# Altium PCB monitor_panel.PcbDoc (part 1 of 2) (continued)
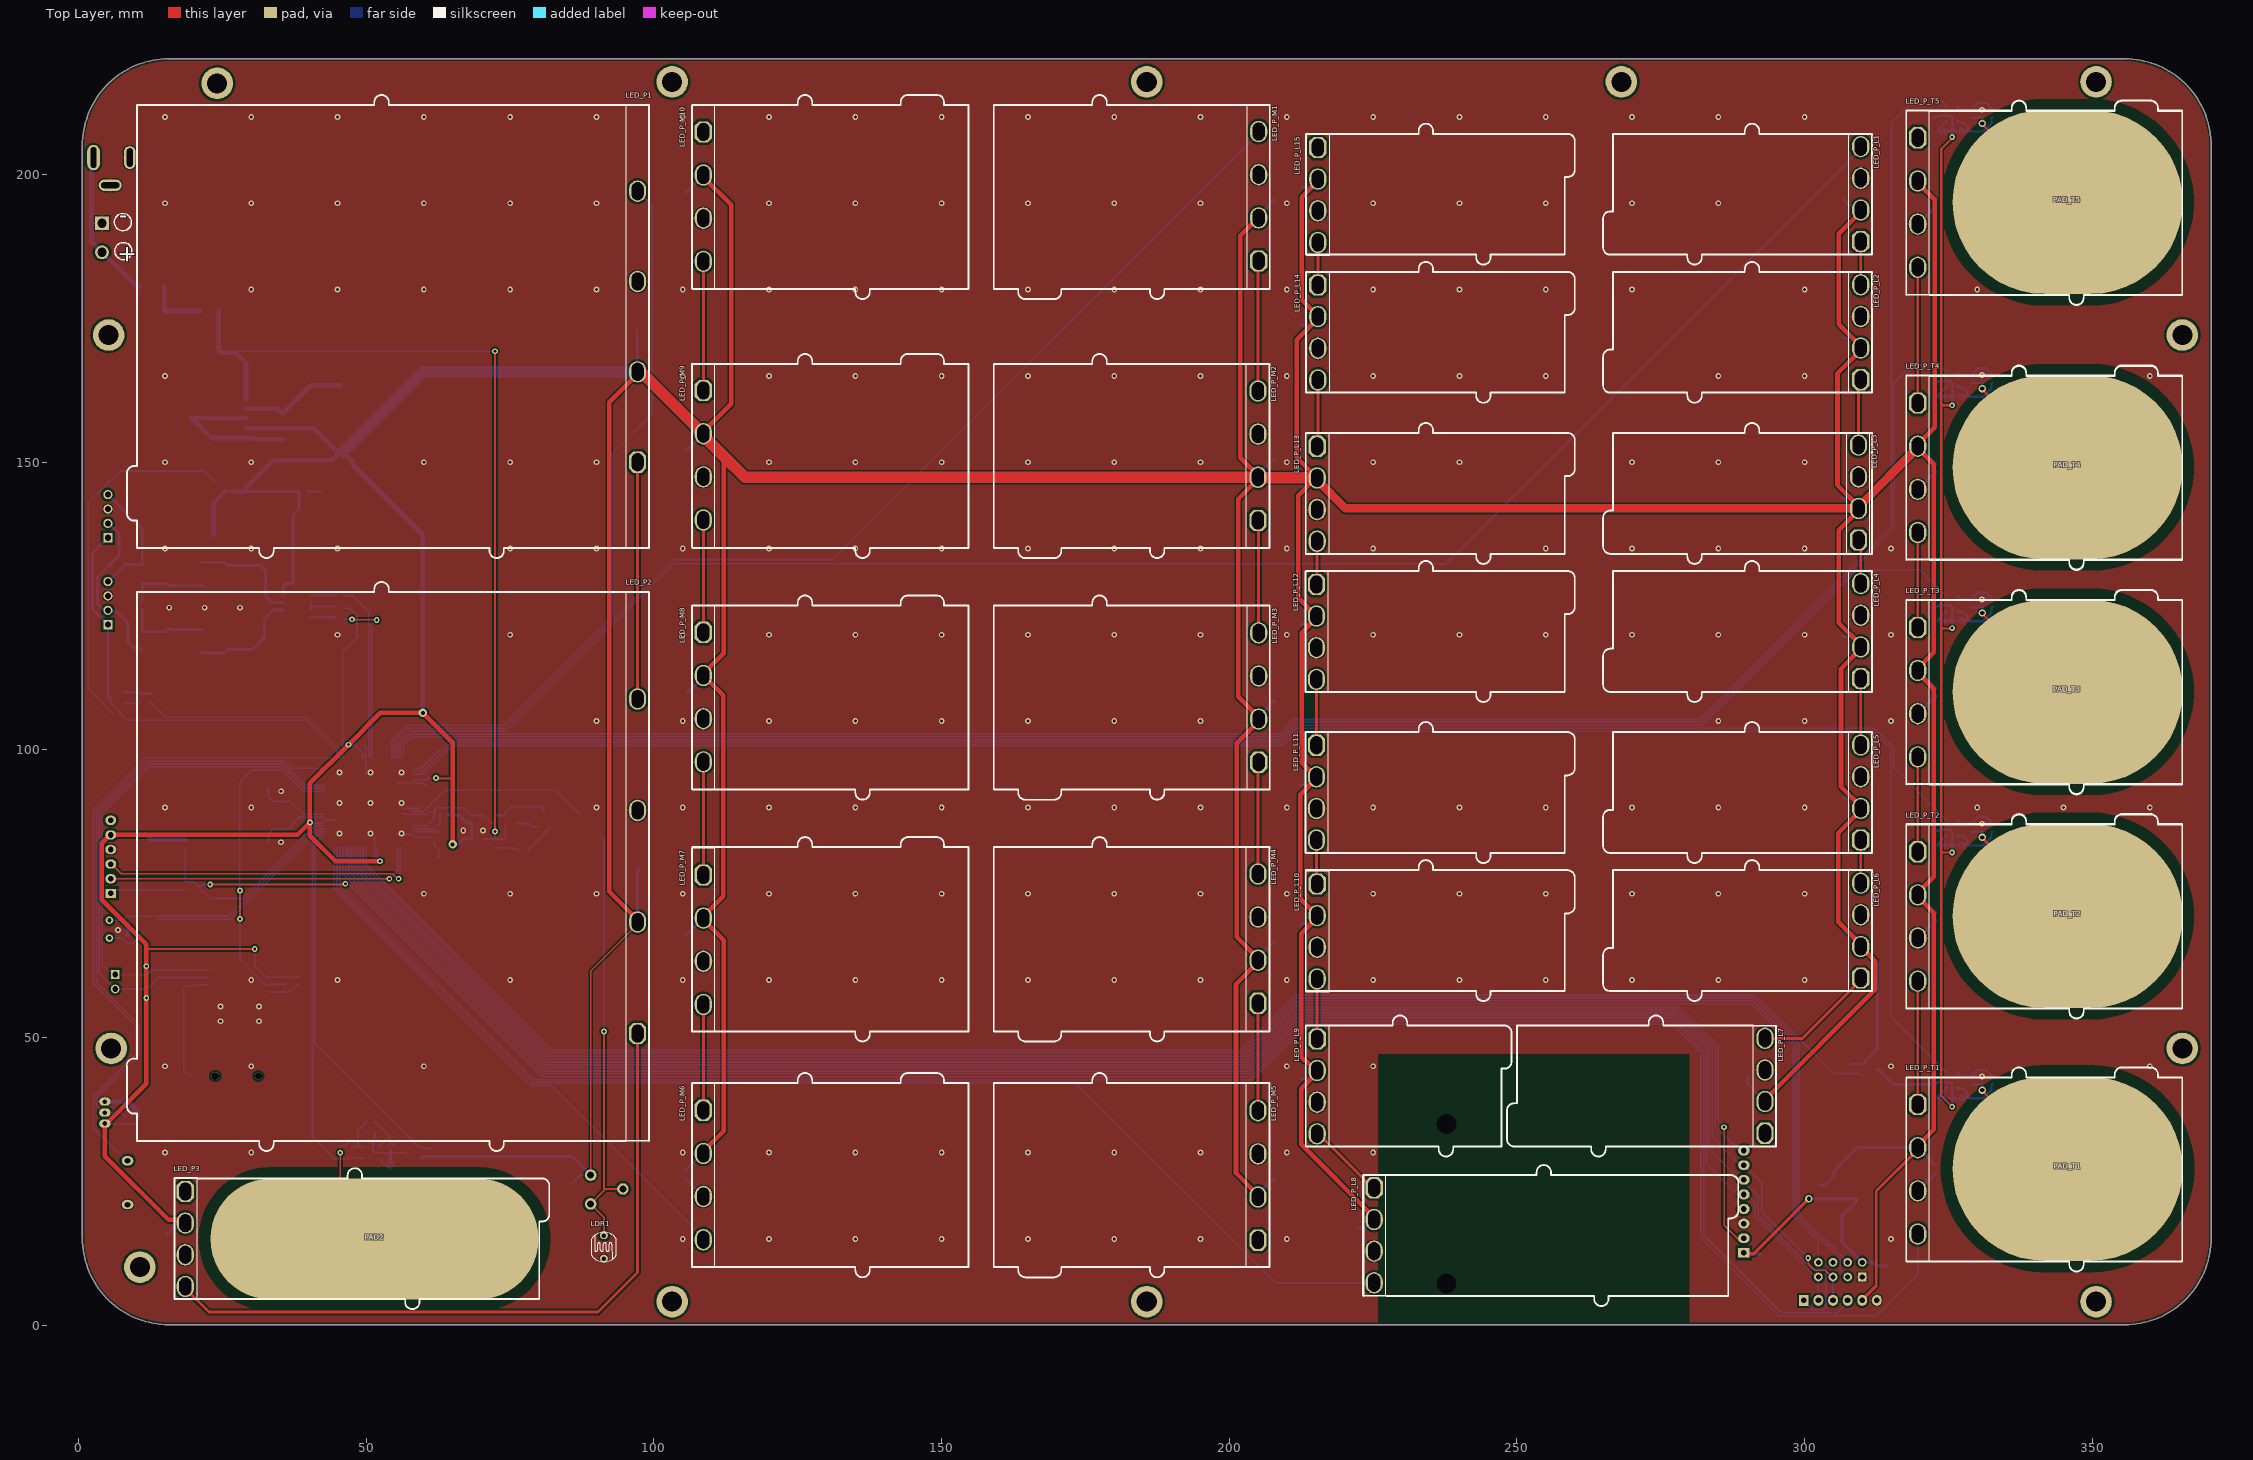
[diagram p0: Top Layer view]
## Classes and differential pairs (continued)

## Components (designator, comment, footprint, x,y, rotation, side; value= is the part's Value field where it differs from the comment)
"BAT 1" "BAT Backup" BATTERY_coin 21.749,43.307 r90 bottom
Bluetooth1 "Header 6" H-1x6 5.588,81.534 r90 bottom
C1_T1 "100nF" 0603C 322.461,42.545 r270 bottom (schematic designator C1)
C1_T2 "100nF" 0603C 322.461,86.487 r270 bottom (schematic designator C1)
C1_T3 "100nF" 0603C 322.461,125.476 r270 bottom (schematic designator C1)
C1_T4 "100nF" 0603C 322.461,164.465 r270 bottom (schematic designator C1)
C1_T5 "100nF" 0603C 322.461,210.566 r270 bottom (schematic designator C1)
C2_T1 "22pF" 0603C 330.832,42.515 r270 bottom (schematic designator C2)
C2_T2 "22pF" 0603C 330.832,86.457 r270 bottom (schematic designator C2)
C2_T3 "22pF" 0603C 330.832,125.446 r270 bottom (schematic designator C2)
C2_T4 "22pF" 0603C 330.832,164.435 r270 bottom (schematic designator C2)
C2_T5 "22pF" 0603C 330.832,210.536 r270 bottom (schematic designator C2)
C3 "22pf" 0603C 36.703,91.721 r270 bottom
C3_T1 "22nF" 0603C 332.621,42.57 r90 bottom (schematic designator C3)
C3_T2 "22nF" 0603C 332.621,86.512 r90 bottom (schematic designator C3)
C3_T3 "22nF" 0603C 332.621,125.501 r90 bottom (schematic designator C3)
C3_T4 "22nF" 0603C 332.621,164.49 r90 bottom (schematic designator C3)
C3_T5 "22nF" 0603C 332.621,210.591 r90 bottom (schematic designator C3)
C4 "22pf" 0603C 8.509,70.384 r90 bottom
C5 "100nF" 0603C 18.542,76.335 r90 bottom
C6 "22pf" 0603C 36.703,85.571 r90 bottom
C7 "22pf" 0603C 8.509,67.121 r90 bottom
C8 "100nF" 0603C 63.5,85.598 r0 bottom
C9 "100nF" 0603C 22.733,137.287 r180 bottom
C10 "100nF" 0603C 63.373,81.407 r0 bottom
C11 "100nF" 0603C 51.689,80.645 r180 bottom
C12 "100nF" 0603C 39.497,87.376 r180 bottom
C13 "100nF" 0603C 48.919,100.743 r0 bottom
C14 "100nF" 0603C 60.579,94.305 r270 bottom
C15 "10uF" 0603C 37.973,128.905 r0 bottom
C16 "100nF" 0603C 10.268,35.56 r90 bottom
C17 "100nF" cap805 68.326,84.543 r270 bottom
C18 "100nF" cap805 74.206,82.868 r90 bottom
C19 "100nF" cap805 70.286,84.518 r270 bottom
C20 "10uF" cap805 72.352,87.059 r90 bottom
C21 "10uF" cap805 78.232,88.709 r270 bottom
C22 "Aluminum 50v 100uF" "Cap SMD 100UF 35~50v" 22.733,169.037 r0 bottom value=100uF
C23 "Aluminum 16v 1000uF" "CAP SMD 1000UF 16V" 22.733,144.907 r0 bottom value=1000uF
C24 "22uF" 0603C 305.843,15.494 r0 bottom
C25 "22uF" 0603C 305.843,26.797 r180 bottom
C26 "100nF" 0603C 312.547,9.652 r90 bottom
C27 "100nF" 0603C 292.608,13.081 r270 bottom
C28 "10uF" 0603C 314.071,9.652 r90 bottom
C29 "22uF" 0603C 85.714,23.995 r90 bottom
C30 "100nF" 0603C 38.989,141.859 r180 bottom
C31 "100nF" 0603C 19.939,58.293 r90 bottom
C32 "100nF" 0603C 31.304,63.373 r180 bottom
C33 "22nF" 0603C 50.8,35.433 r180 bottom
C37 "100nF" 0603C 50.8,33.548 r0 bottom
C38 "22pF" 0603C 45.466,31.614 r270 bottom
C_L1 "1uF" 0603C 306.705,196.342 r270 bottom (schematic designator C)
C_L2 "1uF" 0603C 306.705,172.339 r270 bottom (schematic designator C)
C_L3 "1uF" 0603C 306.324,144.464 r270 bottom (schematic designator C)
C_L4 "1uF" 0603C 306.705,120.396 r270 bottom (schematic designator C)
C_L5 "1uF" 0603C 306.705,92.329 r270 bottom (schematic designator C)
C_L6 "1uF" 0603C 306.832,69.215 r270 bottom (schematic designator C)
C_L7 "1uF" 0603C 290.045,44 r270 bottom (schematic designator C)
C_L8 "1uF" 0603C 222.377,16.207 r90 bottom (schematic designator C)
C_L9 "1uF" 0603C 212.471,42.102 r90 bottom (schematic designator C)
C_L10 "1uF" 0603C 212.471,69.026 r90 bottom (schematic designator C)
C_L11 "1uF" 0603C 212.344,93.156 r90 bottom (schematic designator C)
C_L12 "1uF" 0603C 212.344,121.096 r90 bottom (schematic designator C)
C_L13 "1uF" 0603C 212.471,145.099 r90 bottom (schematic designator C)
C_L14 "1uF" 0603C 212.598,173.14 r90 bottom (schematic designator C)
C_L15 "1uF" 0603C 212.598,197.042 r90 bottom (schematic designator C)
C_M1 "1uF" 0603C 207.899,196.342 r270 bottom (schematic designator C)
C_M2 "1uF" 0603C 207.772,151.257 r270 bottom (schematic designator C)
C_M3 "1uF" 0603C 207.899,109.22 r270 bottom (schematic designator C)
C_M4 "1uF" 0603C 207.772,67.31 r270 bottom (schematic designator C)
C_M5 "1uF" 0603C 207.772,26.162 r270 bottom (schematic designator C)
C_M6 "1uF" 0603C 105.41,26.229 r90 bottom (schematic designator C)
C_M7 "1uF" 0603C 105.537,67.13 r90 bottom (schematic designator C)
C_M8 "1uF" 0603C 105.791,109.294 r90 bottom (schematic designator C)
C_M9 "1uF" 0603C 105.537,151.331 r90 bottom (schematic designator C)
C_M10 "1uF" 0603C 105.537,196.282 r90 bottom (schematic designator C)
C_p1 "1uF" 0603C 15.24,14.986 r90 bottom
C_p2 "1uF" 0603C 97.155,79.883 r270 bottom
C_p3 "1uF" 0603C 97.028,173.547 r270 bottom
C_T1 "1uF" 0603C 322.85,27.079 r90 bottom (schematic designator C)
C_T2 "1uF" 0603C 322.85,71.021 r90 bottom (schematic designator C)
C_T3 "1uF" 0603C 322.85,110.01 r90 bottom (schematic designator C)
C_T4 "1uF" 0603C 322.85,148.999 r90 bottom (schematic designator C)
C_T5 "1uF" 0603C 322.85,195.1 r90 bottom (schematic designator C)
D1 "5.1V" "Diode 1n4148 SMD" 8.38,113.392 r180 bottom
D2 "TBU-CA065-200-WH" TBUCA025050WH 21.463,130.583 r270 bottom
D3 "SMBJ12CA" "DO214AA SMB" 15.748,130.937 r90 bottom
D4 "SMBJ12CA" "DO214AA SMB" 15.748,119.235 r90 bottom
D5 "TBU-CA065-200-WH" TBUCA025050WH 21.463,118.881 r270 bottom
D6 "1n5822" "SMA DIODE 2" 35.433,156.257 r270 bottom
D7 "ss110" ss110 12.7,180.467 r180 bottom
D8 "ss110" ss110 12.7,176.275 r180 bottom
F1 "fuse 100mAmp" "1206 FUSE" 11.049,130.583 r90 bottom
F2 "fuse 100mAmp" "1206 FUSE" 11.049,118.881 r270 bottom
F3 "fuse 2amp" "1206 FUSE" 22.733,176.275 r0 bottom
GDT1 "2031-15T-SM-RPLF" TVS_2031-15T-SM-RPLF 28.067,130.084 r270 bottom
GDT2 "2031-15T-SM-RPLF" TVS_2031-15T-SM-RPLF 28.067,119.38 r90 bottom
I1 "B2B-XH" JST-B2B-XH 6.35,59.69 r270 bottom
L1 "10uH" IND1206 63.373,83.566 r180 bottom
L2 "inductor 100uH" inductor 45.466,157.607 r180 bottom value=100uH
LDR1 "PhotoCell-5mm" PHOTOCELL 91.302,13.581 r90 top
LED1 "LED RED" LED_7012X1 43.307,144.907 r180 bottom
LED_P1 "LED pack RGB WS2812" PACK77-2121 97.155,173.554 r180 top locked
LED_P2 "LED pack RGB WS2812" PACK95.4-2121 97.155,79.762 r180 top locked
LED_P3 "LED pack RGB WS2812" pack21-2121 18.542,14.991 r0 top locked
LED_P_L1 "LED pack RGB WS2812" pack21-2121 309.753,196.591 r180 top (schematic designator LED_P)
LED_P_L2 "LED pack RGB WS2812" pack21-2121 309.753,172.588 r180 top locked (schematic designator LED_P)
LED_P_L3 "LED pack RGB WS2812" pack21-2121 309.372,144.713 r180 top locked (schematic designator LED_P)
LED_P_L4 "LED pack RGB WS2812" pack21-2121 309.753,120.645 r180 top locked (schematic designator LED_P)
LED_P_L5 "LED pack RGB WS2812" pack21-2121 309.753,92.578 r180 top locked (schematic designator LED_P)
LED_P_L6 "LED pack RGB WS2812" pack21-2121 309.753,68.58 r180 top locked (schematic designator LED_P)
LED_P_L7 "LED pack RGB WS2812" pack21-2121 293.116,41.613 r180 top locked (schematic designator LED_P)
LED_P_L8 "LED pack RGB WS2812" pack21-2121 225.171,15.616 r0 top (schematic designator LED_P)
LED_P_L9 "LED pack RGB WS2812" pack21-2121 215.265,41.511 r0 top locked (schematic designator LED_P)
LED_P_L10 "LED pack RGB WS2812" pack21-2121 215.265,68.435 r0 top locked (schematic designator LED_P)
LED_P_L11 "LED pack RGB WS2812" pack21-2121 215.138,92.565 r0 top locked (schematic designator LED_P)
LED_P_L12 "LED pack RGB WS2812" pack21-2121 215.138,120.505 r0 top locked (schematic designator LED_P)
LED_P_L13 "LED pack RGB WS2812" pack21-2121 215.265,144.508 r0 top locked (schematic designator LED_P)
LED_P_L14 "LED pack RGB WS2812" pack21-2121 215.392,172.549 r0 top locked (schematic designator LED_P)
LED_P_L15 "LED pack RGB WS2812" pack21-2121 215.392,196.451 r0 top locked (schematic designator LED_P)
LED_P_M1 "LED pack RGB WS2812" PACK32-2121 205.105,196.215 r180 top locked (schematic designator LED_P)
LED_P_M2 "LED pack RGB WS2812" PACK32-2121 204.978,151.13 r180 top locked (schematic designator LED_P)
LED_P_M3 "LED pack RGB WS2812" PACK32-2121 205.105,109.093 r180 top locked (schematic designator LED_P)
LED_P_M4 "LED pack RGB WS2812" PACK32-2121 204.978,67.183 r180 top locked (schematic designator LED_P)
LED_P_M5 "LED pack RGB WS2812" PACK32-2121 204.978,26.035 r180 top locked (schematic designator LED_P)
LED_P_M6 "LED pack RGB WS2812" PACK32-2121 108.585,26.102 r0 top locked (schematic designator LED_P)
LED_P_M7 "LED pack RGB WS2812" PACK32-2121 108.585,67.003 r0 top locked (schematic designator LED_P)
LED_P_M8 "LED pack RGB WS2812" PACK32-2121 108.585,109.167 r0 top locked (schematic designator LED_P)
LED_P_M9 "LED pack RGB WS2812" PACK32-2121 108.585,151.204 r0 top locked (schematic designator LED_P)
LED_P_M10 "LED pack RGB WS2812" PACK32-2121 108.585,196.155 r0 top locked (schematic designator LED_P)
LED_P_T1 "LED pack RGB WS2812" PACK32-2121 319.659,27.104 r0 top locked (schematic designator LED_P)
LED_P_T2 "LED pack RGB WS2812" PACK32-2121 319.659,71.046 r0 top locked (schematic designator LED_P)
LED_P_T3 "LED pack RGB WS2812" PACK32-2121 319.659,110.035 r0 top locked (schematic designator LED_P)
LED_P_T4 "LED pack RGB WS2812" PACK32-2121 319.659,149.024 r0 top locked (schematic designator LED_P)
LED_P_T5 "LED pack RGB WS2812" PACK32-2121 319.659,195.125 r0 top locked (schematic designator LED_P)
NRF1 "NRF24L01+" NRF24L01P 310.007,8.382 r180 bottom locked
PAD2 "TouschPAD" TOUCHPAD3 51.435,14.986 r180 top locked
PAD_T1 "TouschPAD" touchPAD4 345.694,27.178 r0 top locked (schematic designator PAD)
PAD_T2 "TouschPAD" touchPAD4 345.694,71.12 r0 top locked (schematic designator PAD)
PAD_T3 "TouschPAD" touchPAD4 345.694,110.109 r0 top locked (schematic designator PAD)
PAD_T4 "TouschPAD" touchPAD4 345.694,149.098 r0 top locked (schematic designator PAD)
PAD_T5 "TouschPAD" touchPAD4 345.694,195.199 r0 top locked (schematic designator PAD)
POT1 "10K" "POT 2" 89.001,21.074 r90 bottom
PP1 "Header 6" HDR1X6 299.847,4.318 r0 bottom
Q1 "NDS356AP" soT95p280x130-3n 311.277,44.45 r180 bottom
Q2 "NDS356AP" soT95p280x130-3n 58.204,29.981 r0 bottom
Q5 "2N2222A" soT95p280x130-3n 6.73,109.066 r0 bottom
Q6 "2N2222A" soT95p280x130-3n 77.216,83.693 r270 bottom
Q7 "2N2222A" soT95p280x130-3n 80.899,87.884 r270 bottom
R1 "1K" 0603R 307.721,44.45 r270 bottom
R1_T1 "100" 0603R 329.043,42.54 r270 bottom (schematic designator R1)
R1_T2 "100" 0603R 329.043,86.482 r270 bottom (schematic designator R1)
R1_T3 "100" 0603R 329.043,125.471 r270 bottom (schematic designator R1)
R1_T4 "100" 0603R 329.043,164.46 r270 bottom (schematic designator R1)
R1_T5 "100" 0603R 329.043,210.561 r270 bottom (schematic designator R1)
R2 "1K" 0603R 61.506,30.005 r90 bottom
R3 "100" 0603R 47.498,31.614 r90 bottom
R10 "1K" 0603R 18.542,83.685 r90 bottom
R11 "1K" 0603R 63.5,88.9 r0 bottom
R12 "1K" 0603R 63.5,87.249 r180 bottom
R13 "4.7K" 0603R 6.731,106.172 r0 bottom
R14 "1K" 0603R 12.446,109.091 r270 bottom
R15 "10K" 0603R 10.541,109.091 r270 bottom
R16 "200" 0603R 45.301,127.078 r0 bottom
R17 "200" 0603R 45.301,124.929 r0 bottom
R18 "120R" 0603R 11.049,125.132 r270 bottom
R19 "200" 0603R 45.301,122.781 r0 bottom
R20 "4.7K" 0603R 11.811,61.595 r270 bottom
R21 "4.7K" 0603R 11.811,57.658 r90 bottom
R22 "680K" 0603R 72.352,83.693 r90 bottom
R23 "4.7K" 0603R 74.206,87.884 r270 bottom
R24 "220K" 0603R 68.326,87.884 r270 bottom
R25 "220K" 0603R 70.286,87.884 r90 bottom
R26 "1K" 0603R 76.166,87.884 r270 bottom
R27 "1K" 0603R 38.989,144.907 r0 bottom
R28 "330" 0603R 305.843,17.145 r180 bottom
R29 "1K" 0603R 36.068,59.944 r90 bottom
R30 "1K" 0603R 38.227,59.944 r90 bottom
R43 "1K" 0603R 8.246,35.56 r270 bottom
rfid1 "H-1x8" RCC522-RFID-2 259.461,20.955 r0 bottom locked
RS1 "B4B-XH" JST-B4B-XH 5.08,140.609 r90 bottom
RS2 "B4B-XH" JST-B4B-XH 5.08,125.505 r90 bottom
rst1 "tact switch" DTSM63NVB 23.241,80.01 r270 bottom
SP1 "BUZZER" "BUZZER 7.62mm DC" 8.509,24.765 r270 bottom
U1_T1 "TTP223" SOT23-6_L 325.636,42.545 r270 bottom (schematic designator U1)
U1_T2 "TTP223" SOT23-6_L 325.636,86.487 r270 bottom (schematic designator U1)
U1_T3 "TTP223" SOT23-6_L 325.636,125.476 r270 bottom (schematic designator U1)
U1_T4 "TTP223" SOT23-6_L 325.636,164.465 r270 bottom (schematic designator U1)
U1_T5 "TTP223" SOT23-6_L 325.636,210.566 r270 bottom (schematic designator U1)
U2 "ATMEGA2560-16AUR" QFP50P1600X1600X120-100N 50.419,90.805 r90 bottom
U3 "ADM4850ARZ" SO8_N 37.973,124.929 r180 bottom
U4 "lm2596-5" 2596 19.634,157.607 r0 bottom
U6 "DS3231" SO-16W 27.94,57.277 r180 bottom
U7 "DS1820" DS1820 4.572,36.957 r0 bottom
U12 "TTP223" SOT23-6_L 50.8,29.964 r0 bottom
UP1 "ams1117-3V3" SOT223 305.943,21.971 r0 bottom
V-IN1 "DC jack power" GCT_DCJ235-05-A-XX-X_REVA 9.14,202.946 r270 bottom
V-IN2 "Phoenix" AMPHENOL_OQ0271510000G 4.064,191.516 r270 bottom locked
W1_T1 "Jumper" JUMPER 323.959,39.497 r180 bottom (schematic designator W1)
W1_T2 "Jumper" JUMPER 323.959,83.439 r180 bottom (schematic designator W1)
W1_T3 "Jumper" JUMPER 323.959,122.428 r180 bottom (schematic designator W1)
W1_T4 "Jumper" JUMPER 323.959,161.417 r180 bottom (schematic designator W1)
W1_T5 "Jumper" JUMPER 323.959,207.518 r180 bottom (schematic designator W1)
W2_T1 "Jumper" JUMPER 327.313,39.497 r180 bottom (schematic designator W2)
W2_T2 "Jumper" JUMPER 327.313,83.439 r180 bottom (schematic designator W2)
W2_T3 "Jumper" JUMPER 327.313,122.428 r180 bottom (schematic designator W2)
W2_T4 "Jumper" JUMPER 327.313,161.417 r180 bottom (schematic designator W2)
W2_T5 "Jumper" JUMPER 327.313,207.518 r180 bottom (schematic designator W2)
W3 "Jumper" JUMPER 54.258,28.013 r270 bottom
W4 "Jumper" JUMPER 54.229,31.496 r270 bottom
Y1 "crystal 16MHz" XTAL_ECS-180-S-5P-DN-TR 33.02,88.468 r90 bottom value=16MHz
Y2 "crystal 32768" "XTAL RTC" 5.334,68.834 r180 bottom value=32768

## Footprints (in the part's own frame and the unit in brackets; to place one, negate y for a bottom-side part, rotate by r counter-clockwise, add the part's x,y. Pads: shape width x height; smd on the part's side, far side on the other; paste and mask are expansions set on the pad)
0603C [mm]
  rect 0.75x0.94 smd: 1(-0.7,0) 2(0.7,0)
  silkscreen extent -1.22,-0.62 1.22,0.62, body extent -0.8,-0.4 0.8,0.4, height 0.9
0603R [mm]
  rect 0.75x0.94 smd: 1(-0.7,0) 2(0.7,0)
  silkscreen extent -1.22,-0.62 1.23,0.62, body extent -0.79,-0.42 0.79,0.43, height 0.5
"1206 FUSE" [mm] "Fast Acting Smd 1206 non-Resettable Fuse Chip For Pcb Board-Design:Abbas Basereh"
  rect 1.85x1.85 smd: 1(-1.65,0) 2(1.65,0)
  silkscreen extent -2.41,-1.02 2.41,1.02, body extent -1.6,-0.8 1.6,0.8, height 1
2596 [mm]
  rect 4x1.2 smd: 1(9.448,-3.4) 2(9.448,-1.7) 3(9.448,0) 4(9.448,1.7) 5(9.448,3.4)
  rect 10.5x11.05 smd: 3(0,0)
  silkscreen extent 6.3,-4.67 9.17,3.35, body extent -4.21,-5.08 9.8,5.08, height 4.56
AMPHENOL_OQ0271510000G [mm]
  rect 2.4x2.4 hole 1.6: 1(0,0)
  round 2.4 hole 1.6: 2(5.04,0)
  silkscreen extent -4.35,-10 8.5,2, body extent -2.67,-18.92 7.49,1.73, height 15.1
BATTERY_coin [mm]
  rect 2.3x3.66 smd: 1(0,-2.295)
  rect 2.3x4.3 smd: 2(0,14.146)
  round 1.3 hole 1.3 unplated: ""(0,2)
  round 1.2 hole 1.2 unplated: ""(0,9.5)
  silkscreen extent -7.65,-1.44 7.65,13.63, body extent -7.37,-3.31 7.37,15.89, height 4.35
"BUZZER 7.62mm DC" [mm] "BUZZER 12mm DIA , 7.62mm pitch DESIGNER ABBAS BASEREH"
  oval 1.6x2 hole 1: 1(-3.81,0) 2(3.81,0)
  silkscreen extent -7.3,-6.2 6.2,6.2, body extent -6,-6 6,6, height 9.5
cap805 [mm]
  rect 0.95x1.3 smd: 1(0,0) 2(1.65,0)
  silkscreen extent 0.67,-0.55 0.97,0.55, body extent -0.19,-0.64 1.84,0.63, height 0.65
"Cap SMD 100UF 35~50v" [mm]
  rect 4.5x1.3 smd: 1(3,0) 2(-3,0)
  silkscreen extent -4.5,-4.5 4.5,4.5, body extent -4.95,-4.15 4.95,4.15, height 10.02
"CAP SMD 1000UF 16V" [mm]
  rect 4.8x1.8 smd: 1(4.2,0) 2(-4.2,0)
  silkscreen extent -5.5,-5.5 5.5,5.5, body extent -5.75,-5.14 5.85,5.16, height 10.33
"Diode 1n4148 SMD" [mm] "Mini MELF SOD-80"
  rect 1.2x1.75 smd: 1(0,0) 2(3.3,0)
  silkscreen extent 1.04,-0.87 2.22,0.88, body extent -0.13,-0.75 3.37,0.75, height 1.55
"DO214AA SMB" [mm]
  rect 2.45x2.15 smd: 1(1.896,0) 2(-2.404,0)
  silkscreen extent -4.05,-1.8 3.35,1.8, body extent -2.85,-1.8 2.35,1.8, height 2.4
DS1820 [mm]
  oval 2x1.4 hole 0.8: 1(0,-1.905) 2(0,0) 3(0,1.905)
  silkscreen extent -3,-3 1.09,3
DTSM63NVB [mm]
  rect 1.55x1.3 smd: 1(-3.975,2.25) 2(3.975,2.25) 3(-3.975,-2.25) 4(3.975,-2.25)
  silkscreen extent -5.3,-3.1 3.1,3.1, body extent -4.45,-3.02 4.57,3.02
GCT_DCJ235-05-A-XX-X_REVA [mm]
  oval 4.4x2.2 hole 1 slot 3.6 at 0 deg: 1(0,6.55)
  oval 4x2 hole 1 slot 3.2 at 0 deg: 2(0,0.25)
  oval 2x4 hole 1 slot 3.2 at 90 deg: 3(4.8,3.65)
  silkscreen extent -4.5,-7.15 4.5,8.4, body extent -4.63,-7.24 4.77,7.16, height 11
H-1x6 [mm]
  rect 1.6x1.9 hole 1: 1(-6.477,0)
  oval 1.6x1.9 hole 1: 2(-3.937,0) 3(-1.397,0) 4(1.143,0) 5(3.683,0) 6(6.223,0)
  silkscreen extent -7.75,-1.27 7.49,1.27
HDR1X6 [mm] "Connector; Header; 6 Position"
  rect 1.7x1.9 hole 1: 1(0,0)
  oval 1.7x1.9 hole 1: 2(2.54,0) 3(5.08,0) 4(7.62,0) 5(10.16,0) 6(12.7,0)
  silkscreen extent -1.27,-1.27 13.97,1.27
IND1206 [mm] "Chip Inductor, 2-Leads, Body 3/20x1/60mm, IPC Medium Density DESIGNER:ABBAS BASEREH"
  rect 1.04x1.74 smd: 1(-1.51,0) 2(1.51,0)
  silkscreen extent -2.2,-1.05 2.2,1.05, body extent -1.65,-0.85 1.65,0.85, height 0.94
inductor [mm]
  rect 5x4 smd: 1(0,5.8) 2(0,-5.8)
  silkscreen extent -6.1,-6.1 6.1,6.22, body extent -6,-6.17 6,6.17, height 7.5
JST-B2B-XH [mm]
  rect 1.508x1.508 hole 1: 1(-1.25,0)
  round 1.508 hole 1: 2(1.25,0)
  silkscreen extent -3.7,-3.07 3.7,3.4, body extent -3.7,-2.33 3.7,3.42, height 7
JST-B4B-XH [mm]
  rect 1.59x1.59 hole 1.06: 1(-3.75,0)
  round 1.59 hole 1.06: 2(-1.25,0) 3(1.25,0) 4(3.75,0)
  silkscreen extent -6.91,-3.4 6.2,2.35, body extent -6.2,-3.4 6.2,2.35, height 7
JUMPER [mm]
  rect 1x1 smd mask+0.05: 1(-0.85,0) 2(0.85,0)
  Top Layer region: 0.475,0.5 -0.075,0.5 0.475,-0.05
  Top Layer region: 0.475,0.05 0.475,-0.5 -0.075,-0.5
  Top Layer region: -0.375,0.5 0.125,0 -0.375,-0.5 -0.525,-0.5 -0.525,0.5
LED_7012X1 [mm]
  rect 1.15x1.3 smd: A(1.125,0) C(-1.125,0)
  silkscreen extent -2.4,-0.63 0.23,0.63, body extent -1,-0.62 1,0.62, height 0.73
NRF24L01P [mm] "NRFL01+ Module"
  rect 1.5x1.5 hole 0.9: 1(0,0)
  round 1.5 hole 0.9: 2(0,2.54) 3(2.54,0) 4(2.54,2.54) 5(5.08,0) 6(5.08,2.54) 7(7.62,0) 8(7.62,2.54)
  silkscreen extent -1.72,-1.59 13.28,27.41, body extent -1.72,-1.59 13.28,27.41, height 15.5
pack21-2121 [mm]
  oct 3x3.7 hole 2.1 slot 3.1 at 90 deg: 1(0,8.25)
  oval 3x3.7 hole 2.1 slot 3.1 at 90 deg: 2(0,2.75) 3(0,-2.75) 4(0,-8.25)
  silkscreen extent -1.94,-10.46 2.06,10.54, body extent -1.74,-10.5 1.69,10.5, height 3
PACK32-2121 [mm]
  oct 3x3.7 hole 2.1 slot 3.1 at 90 deg: 1(0,11.25)
  oval 3x3.7 hole 2.1 slot 3.1 at 90 deg: 2(0,3.75) 3(0,-3.75) 4(0,-11.25)
  silkscreen extent -2,-16 2,16, body extent -1.7,-16.07 1.69,16.07, height 3.08
PACK77-2121 [mm]
  oct 3x3.7 hole 2.1 slot 3.1 at 90 deg: 1(0,23.55)
  oval 3x3.7 hole 2.1 slot 3.1 at 90 deg: 2(0,7.85) 3(0,-7.862) 4(0,-23.55)
  silkscreen extent -2,-38.5 2,38.5, body extent -1.7,-38.57 1.69,38.58, height 3.08
PACK95.4-2121 [mm]
  oct 3x3.7 hole 2.1 slot 3.1 at 90 deg: 1(0,29.077)
  oval 3x3.7 hole 2.1 slot 3.1 at 90 deg: 2(0,9.692) 3(0,-9.704) 4(0,-29.077)
  silkscreen extent -2,-47.71 2,47.71, body extent -1.7,-47.79 1.69,47.79, height 3.08
PHOTOCELL [mm]
  oval 1.27x1.397 hole 0.8: 1(-2,0) 2(2,0)
  silkscreen extent -2.58,-2.15 2.58,2.15, body extent -2.61,-2.16 2.61,2.14, height 2.44
"POT 2" [mm] "Trimmer"
  round 2 hole 1.2: 1(0,0) 2(5,0) 3(2.6,5.6)
  silkscreen extent -0.49,-0.44 5.29,5.34, body extent -0.91,-2.1 5.9,6.15, height 8.62
QFP50P1600X1600X120-100N [mm]
  rect 1.5x0.3 smd mask+0.05: 1(-7.75,6) 2(-7.75,5.5) 3(-7.75,5) 4(-7.75,4.5) 5(-7.75,4) 6(-7.75,3.5) 7(-7.75,3) 8(-7.75,2.5) 9(-7.75,2) 10(-7.75,1.5) 11(-7.75,1) 12(-7.75,0.5) 13(-7.75,0) 14(-7.75,-0.5) 15(-7.75,-1) 16(-7.75,-1.5) 17(-7.75,-2) 18(-7.75,-2.5) 19(-7.75,-3) 20(-7.75,-3.5) 21(-7.75,-4) 22(-7.75,-4.5) 23(-7.75,-5) 24(-7.75,-5.5) 25(-7.75,-6) 51(7.75,-6) 52(7.75,-5.5) 53(7.75,-5) 54(7.75,-4.5) 55(7.75,-4) 56(7.75,-3.5) 57(7.75,-3) 58(7.75,-2.5) 59(7.75,-2) 60(7.75,-1.5) 61(7.75,-1) 62(7.75,-0.5) 63(7.75,0) 64(7.75,0.5) 65(7.75,1) 66(7.75,1.5) 67(7.75,2) 68(7.75,2.5) 69(7.75,3) 70(7.75,3.5) 71(7.75,4) 72(7.75,4.5) 73(7.75,5) 74(7.75,5.5) 75(7.75,6)
  rect 0.3x1.5 smd mask+0.05: 26(-6,-7.75) 27(-5.5,-7.75) 28(-5,-7.75) 29(-4.5,-7.75) 30(-4,-7.75) 31(-3.5,-7.75) 32(-3,-7.75) 33(-2.5,-7.75) 34(-2,-7.75) 35(-1.5,-7.75) 36(-1,-7.75) 37(-0.5,-7.75) 38(0,-7.75) 39(0.5,-7.75) 40(1,-7.75) 41(1.5,-7.75) 42(2,-7.75) 43(2.5,-7.75) 44(3,-7.75) 45(3.5,-7.75) 46(4,-7.75) 47(4.5,-7.75) 48(5,-7.75) 49(5.5,-7.75) 50(6,-7.75) 76(6,7.75) 77(5.5,7.75) 78(5,7.75) 79(4.5,7.75) 80(4,7.75) 81(3.5,7.75) 82(3,7.75) 83(2.5,7.75) 84(2,7.75) 85(1.5,7.75) 86(1,7.75) 87(0.5,7.75) 88(0,7.75) 89(-0.5,7.75) 90(-1,7.75) 91(-1.5,7.75) 92(-2,7.75) 93(-2.5,7.75) 94(-3,7.75) 95(-3.5,7.75) 96(-4,7.75) 97(-4.5,7.75) 98(-5,7.75) 99(-5.5,7.75) 100(-6,7.75)
  silkscreen extent -8.37,-6.65 6.65,6.88, body extent -8,-8 8,8, height 1.2
RCC522-RFID-2 [mm]
  rect 2x1.7 hole 1: 1(29.972,8.382)
  oval 2x1.7 hole 1: 2(29.972,5.842) 3(29.972,3.302) 4(29.972,0.762) 5(29.972,-1.778) 6(29.972,-4.318) 7(29.972,-6.858) 8(29.972,-9.398)
  round 0 hole 3.5: SC(-21.7,-14) SC(-21.7,13.7)
  Top Layer pour cut-out: -33.7,20.3 20.6,20.3 20.6,-26.2 -33.7,-26.2
  Bottom Layer pour cut-out: -33.7,20.4 20.6,20.4 20.6,-26.2 -33.7,-26.2
  silkscreen extent -28.53,-20.4 31.97,20.38, body extent -27.77,-20.1 32.23,19.9, height 7.74
"SMA DIODE 2" [mm]
  rect 1.7x2 smd: 1(2.3,0) 2(-2.3,0)
  silkscreen extent -2.25,-1.5 2.4,1.5, body extent -2.1,-1.3 2.1,1.3, height 0.55
SO8_N [mm] "SOIC, 8-Leads, Body 4.9x3.9mm, Pitch 1.27mm, IPC Medium Density"
  oval 2.2x0.6 smd: 1(-2.4,1.905) 2(-2.4,0.635) 3(-2.4,-0.635) 4(-2.4,-1.905) 5(2.4,-1.905) 6(2.4,-0.635) 7(2.4,0.635) 8(2.4,1.905)
  silkscreen extent -2.53,-2.5 0.9,2.88, body extent -2,-2.5 2,2.5, height 1.75
SO-16W [mm]
  rect 2x0.5 smd: 1(-5.35,4.445)
  oval 2x0.5 smd: 2(-5.35,3.175) 3(-5.35,1.905) 4(-5.35,0.635) 5(-5.35,-0.635) 6(-5.35,-1.905) 7(-5.35,-3.175) 8(-5.35,-4.445) 9(5.35,-4.445) 10(5.35,-3.175) 11(5.35,-1.905) 12(5.35,-0.635) 13(5.35,0.635) 14(5.35,1.905) 15(5.35,3.175) 16(5.35,4.445)
  silkscreen extent -3.67,-5.08 3.67,5.08, body extent -5.15,-5.16 5.16,5.17, height 2.48
SOT23-6_L [mm] "SOT23, 6-Leads, Body 2.9x1.6mm, Pitch 0.95mm, Lead Span 2.7mm, IPC High Density"
  rect 0.9x0.65 smd: 1(-1.2,0.95) 2(-1.2,0) 3(-1.2,-0.95) 4(1.2,-0.95) 5(1.2,0) 6(1.2,0.95)
  silkscreen extent -1.32,-1.55 0.35,1.95, body extent -0.9,-1.55 0.9,1.55, height 1.45
soT95p280x130-3n [mm]
  rect 1.2x0.6 smd: 1(1.25,-0.95) 2(1.25,0.95) 3(-1.25,0)
  silkscreen extent -0.3,-1.5 1.85,1.45, body extent -1.4,-1.5 1.4,1.4, height 1.3
SOT223 [mm] "SOT223, 4-Leads, Body 6.5x3.5mm, Pitch 2.30mm-Designer Abbas Basereh"
  oval 2.2x1 smd: 1(-3.2,2.3) 2(-3.2,0) 3(-3.2,-2.3)
  rect 2.2x3.2 smd: 4(3,0)
  Top Layer pour cut-out: -1.7,3.556 1.7,3.556 1.7,-3.556 -1.7,-3.556
  silkscreen extent -3.02,-3.4 1.9,3.47, body extent -3.5,-3.25 3.5,3.25, height 1.7
ss110 [mm]
  rect 2.65x1.75 smd: A(2.15,0) C(-2.15,0)
  silkscreen extent -4.54,-1.36 2.19,1.36, body extent -2.5,-1.36 2.5,1.34, height 2.25
TBUCA025050WH [mm]
  rect 1.85x3.4 smd: 1(-2.025,0) 3(2.025,0)
  rect 0.8x3.4 smd: 2(0,0)
  silkscreen extent -3.25,-2.5 3.25,2, body extent -3.25,-2 3.25,2, height 0.88
TOUCHPAD3 [mm]
  oval 57x21 smd mask+0.102: 1(0,0)
  Top Layer pour cut-out: -18.034,-12.5 18.034,-12.5 23.458,-11.262 27.807,-7.794 30.221,-2.782 30.221,2.782 27.807,7.794 23.458,11.262 18.034,12.5 18.034,12.5 -18.034,12.5 -23.458,11.262 -27.807,7.794 -30.221,2.782 -30.221,-2.782 -27.807,-7.794 -23.458,-11.262 -18.034,-12.5
  Bottom Layer pour cut-out: -18.034,-12.5 18.034,-12.5 23.458,-11.262 27.807,-7.794 30.221,-2.782 30.221,2.782 27.807,7.794 23.458,11.262 18.034,12.5 18.034,12.5 -18.034,12.5 -23.458,11.262 -27.807,7.794 -30.221,2.782 -30.221,-2.782 -27.807,-7.794 -23.458,-11.262 -18.034,-12.5
touchPAD4 [mm]
  oval 40x32 smd mask+0.102: 1(0,0)
  Top Layer pour cut-out: -4,-18 4.001,-18 11.811,-16.217 18.074,-11.223 21.55,-4.005 21.55,4.005 18.074,11.223 11.811,16.217 4.001,18 4.001,18 -4,18 -11.81,16.217 -18.073,11.223 -21.549,4.005 -21.549,-4.005 -18.073,-11.223 -11.81,-16.217 -4,-18
  Bottom Layer pour cut-out: -4,-18 4.001,-18 11.811,-16.217 18.074,-11.223 21.55,-4.005 21.55,4.005 18.074,11.223 11.811,16.217 4.001,18 4.001,18 -4,18 -11.81,16.217 -18.073,11.223 -21.549,4.005 -21.549,-4.005 -18.073,-11.223 -11.81,-16.217 -4,-18
TVS_2031-15T-SM-RPLF [mm]
  rect 1.3x5.6 smd: 1(-1.95,0) 2(1.95,0)
  silkscreen extent -3.6,-2.5 1,2.5
"XTAL RTC" [mm]
  round 1.3 hole 0.7: 1(0,1.55) 2(0,-1.55)
  silkscreen extent -1.55,-1.19 1.55,1.17, body extent -1.6,-1.72 1.6,1.73, height 8.98
XTAL_ECS-180-S-5P-DN-TR [mm]
  rect 5.5x2 smd: 1(-4.75,0) 2(4.75,0)
  silkscreen extent -5.7,-2.4 5.7,2.4, body extent -6.6,-2.39 6.6,2.41, height 4.3

## Part data
"BAT 1": "COIL CELL CR1220"
Bluetooth1: library part H-1x6, "Header, 6-Pin , female"
C1_T1 C1_T2 C1_T3 C1_T4 C1_T5 C4 C7 C8 C9 C10 C11 C12 C13 C14 C24 C25 C26 C27 C28 C29 C30 C31 C32 C37 C_L1 C_L2 C_L3 C_L4 C_L5 C_L6 C_L7 C_L8 C_L9 C_L10 C_L11 C_L12 C_L13 C_L14 C_L15 C_M1 C_M2 C_M3 C_M4 C_M5 C_M6 C_M7 C_M8 C_M9 C_M10 C_p1 C_p2 C_p3 C_T1 C_T2 C_T3 C_T4 C_T5: library part Cap, "CAP SMD 0603", LatestRevisionDate=17-Jul-2002, LatestRevisionNote="Re-released for DXP Platform.", PackageDescription="Radial Cap, Thru-Hole; 2 Leads; 0.3 in Pin Spacing", PackageReference=RAD-0.3, Published=8-Jun-2000, Publisher="Altium Limited"
C2_T1 C2_T2 C2_T3 C2_T4 C2_T5 C3_T1 C3_T2 C3_T3 C3_T4 C3_T5 C33 C38: library part Cap, "X7R_NPO", LatestRevisionDate=17-Jul-2002, LatestRevisionNote="Re-released for DXP Platform.", PackageDescription="Radial Cap, Thru-Hole; 2 Leads; 0.3 in Pin Spacing", PackageReference=RAD-0.3, Published=8-Jun-2000, Publisher="Altium Limited"
C3 C5 C6: library part Capacitor, "CAP SMD 0603", Part Number=C0805X106K9RAC7800
C15 C16: library part C1206C104Z5UACTU, "CAP SMD 0603", Manufacturer_Name=Kemet, Mouser Part Number=80-C1206C104Z5U, Datasheet Link=https://componentsearchengine.com/Datasheets/1/C1206C104Z5UACTU.pdf, Height=0.88mm, Manufacturer_Part_Number=C1206C104Z5UACTU, Mouser Price/Stock=https://www.mouser.com/Search/Refine.aspx?Keyword=80-C1206C104Z5U
C17 C18 C19 C20 C21: library part Capacitor, "CAP SMD 0805", Part Number=C0805X106K9RAC7800
C22 C23: library part "Cap Pol1", "CAP POLAR SMD", LatestRevisionDate=17-Jul-2002, LatestRevisionNote="Re-released for DXP Platform.", PackageDescription="Polarized Capacitor (Radial); 2 Leads", PackageReference=RB7.6-15, Published=8-Jun-2000, Publisher="Altium Limited"
D1: library part "D Zener", "Zener Diode 5.1v", LatestRevisionDate=17-Jul-2002, LatestRevisionNote="Re-released for DXP Platform.", PackageDescription="Diode, Thru-Hole; 2 Leads; 0.7 in Pin Spacing", PackageReference=DIODE-0.7, Published=8-Jun-2000, Publisher="Altium Limited"
D2 D5: "TVS Diode (Bi-directional)", Manufacturer_Name=Bourns, Mouser Part Number=652-TBU-CA065-200-WH, Arrow Part Number=TBU-CA065-200-WH, Arrow Price/Stock=https://www.arrow.com/en/products/tbu-ca065-200-wh/bourns?region=nac, Datasheet Link=https://www.bourns.com/data/global/pdfs/TBU-CA.pdf, Height=1mm, Manufacturer_Part_Number=TBU-CA065-200-WH, Mouser Price/Stock=https://www.mouser.co.uk/ProductDetail/Bourns/TBU-CA065-200-WH?qs=kLtMOTa49OkdVs42fYbv8A%3D%3D
D3 D4: "TVS DIODE 12V 19.9V SMB", Current - Peak Pulse (10/1000µs)=30.15A, Manufacturer="AVX Corporation", Operating Temperature="-55°C ~ 150°C (TJ)", Package / Case="DO-214AA, SMB", Power - Peak Pulse=600W, Power Line Protection=No, Supplier Device Package=SMB, Supplier Part Number 1=478-7062-1-ND, Voltage - Breakdown (Min)=13.3V, Voltage - Clamping (Max) @ Ipp=19.9V, Voltage - Reverse Standoff (Typ)=12V, Applications="General Purpose", Bidirectional Channels=1, ComponentLink1Description=Datasheet, ComponentLink1URL=//media.digikey.com/pdf/Data%20Sheets/AVX%20PDFs/Transient%20Suppression%20Diodes.pdf, ComponentLink2Description="DigiKey Link", ComponentLink2URL=http://digikey.com/product-detail/en/avx-corporation/SMBJ12CA/478-7062-1-ND/3340353, LastUpdated="9/2/2020 1:28:17 AM", Lifecycle Status=Active, Minimum Order=1, Mounting Type="Surface Mount", Packaging=TapeAndReel, Part Number=SMBJ12CA, Part Status=Active, PartId=9012, Price=0.16, Series=-, Supplier 1=DigiKey, Type=Zener
D6: library part "Diode 1N4007", "1 Amp schottky Diode SMA", Code_JEDEC=DO-204-AL, ComponentLink1Description="Manufacturer Link", ComponentLink1URL=http://www.fairchildsemi.com/, ComponentLink2Description=Datasheet, ComponentLink2URL=http://www.fairchildsemi.com/ds/1N%2F1N4001.pdf, DatasheetVersion=1998, LatestRevisionDate=17-Jul-2002, LatestRevisionNote="Re-released for DXP Platform.", PackageDescription="Diode, Axial; Body 5.2 x 2.7 mm (LxDia. max), Lead Dia. 0.86 mm (max)", PackageReference=DO-41, PackageVersion=Aug-1999, Published=8-Jun-2000, Publisher="Altium Limited"
D7 D8: library part SBR0560S1-7, "Diode Super Barrier 60V 500mA Surface Mount SOD-123", Package="SOD-123 Diodes Inc.", Availability=Unavailable, MF="Diodes Inc.", MP=SBR0560S1-7, Price=None, SnapEDA_Link=https://www.snapeda.com/parts/SBR0560S1-7/Diodes%20Inc./view-part/491648/?ref=snap
F1 F2 F3: library part 1206SFS200F_63-2, "Fuse 1206", Manufacturer_Name="TE Connectivity", Manufacturer_Part_Number=1206SFS200F/63-2, Datasheet Link=http://docs-emea.rs-online.com/webdocs/13b6/0900766b813b6e27.pdf, Height=1.17mm
GDT1 GDT2: "Gas Discharge Tube SMD", Package=None, Availability=Unavailable, MP=2031-15T-SM-RPLF, Price=None
I1: "XH 2pin standing"
L1: library part Inductor, "Inductor 1206", Code_IEC=1005, Code_JEITA=0402, LatestRevisionDate=29-May-2009, LatestRevisionNote="IPC-7351 Footprint Added.", PackageDescription="Chip Inductor", PackageReference=0402-A, Published=8-Jun-2000, Publisher="Altium Limited"
L2: library part Inductor, "Inductor 12*12mm", Code_IEC=1005, Code_JEITA=0402, LatestRevisionDate=29-May-2009, LatestRevisionNote="IPC-7351 Footprint Added.", PackageDescription="Chip Inductor", PackageReference=0402-A, Published=8-Jun-2000, Publisher="Altium Limited"
LDR1: library part LDR, "Photo Cell- Variable Resistor With Light", Company="IPA CO.", Designer="Saeid Jorablo", Last Update Time=2008/07/17
LED1: library part 7012X1, "LED SMD 0805 RED", Package=None, Availability=Unavailable, MP=7012X1, Price=None
LED_P1: library part "Header 4", "19RGB LED pack", LatestRevisionDate=17-Jul-2002, LatestRevisionNote="Re-released for DXP Platform.", Publisher="Altium Limited"
LED_P2: library part "Header 4", "23 RGB LED pack", LatestRevisionDate=17-Jul-2002, LatestRevisionNote="Re-released for DXP Platform.", Publisher="Altium Limited"
LED_P3 LED_P_L1 LED_P_L2 LED_P_L3 LED_P_L4 LED_P_L5 LED_P_L6 LED_P_L7 LED_P_L8 LED_P_L9 LED_P_L10 LED_P_L11 LED_P_L12 LED_P_L13 LED_P_L14 LED_P_L15: library part "Header 4", "5 RGB LED pack", LatestRevisionDate=17-Jul-2002, LatestRevisionNote="Re-released for DXP Platform.", Publisher="Altium Limited"
LED_P_M1 LED_P_M2 LED_P_M3 LED_P_M4 LED_P_M5 LED_P_M6 LED_P_M7 LED_P_M8 LED_P_M9 LED_P_M10: library part "Header 4", "8RGB LED pack", LatestRevisionDate=17-Jul-2002, LatestRevisionNote="Re-released for DXP Platform.", Publisher="Altium Limited"
LED_P_T1 LED_P_T2 LED_P_T3 LED_P_T4 LED_P_T5: library part "Header 4", "8 32mm RGB LED pack", LatestRevisionDate=17-Jul-2002, LatestRevisionNote="Re-released for DXP Platform.", Publisher="Altium Limited"
NRF1: library part NRF24L01P, "NRF Module", Ali Hafizi=Creature
PAD2 PAD_T1 PAD_T2 PAD_T3 PAD_T4 PAD_T5: library part "Test Point"
POT1: library part POT, "Variable Resistor"
PP1: "Header, 6-Pin , female", LatestRevisionDate=17-Jul-2002, LatestRevisionNote="Re-released for DXP Platform.", Publisher="Altium Limited"
Q1 Q2: library part MOSFET-P, "P-Channel MOSFET SOT23", LatestRevisionDate=17-Jul-2002, LatestRevisionNote="Re-released for DXP Platform.", PackageDescription="TO, Flat Index; 3 In-Line, Axial Leads; Body Dia. 4.6mm; Lead Dia. 0.5 mm (max)", PackageReference=E3, PackageVersion=1995/1996, Published=8-Jun-2000, Publisher="Altium Limited"
Q5 Q6 Q7: "Transistor BJT NPN SMD", Manufacturer_Name="Foshan Blue Rocket Elec", Datasheet Link=https://datasheet.lcsc.com/szlcsc/1901291437_Foshan-Blue-Rocket-Elec-2N2222A_C358533.pdf, Height=4.7mm, Manufacturer_Part_Number=2N2222A
R1 R1_T1 R1_T2 R1_T3 R1_T4 R1_T5 R2 R3 R10 R11 R12 R13 R14 R15 R22 R23 R24 R25 R26 R27 R28 R29 R30 R43: library part Resistor, "RES SMD 0603", Part Number=RCS0805100KFKEA
R16 R17 R18 R19 R20 R21: library part CRCW080510K0JNEAIF, "RES SMD 0603", Device Package="0805 (2012 Metric)", Manufacturer="Vishay Dale", Operating Temperature="-55°C ~ 155°C", Power (Watts)="0.125W, 1/8W", Ratings=AEC-Q200, Resistance="10 kOhms", Supplier Device Package=0805, Supplier Part Number 1=541-10KAPCT-ND, Temperature Coefficient=±200ppm/°C, Tolerance=±5%, ComponentLink1Description=Datasheet, ComponentLink1URL=http://www.vishay.com/docs/20024/dcrcwife3.pdf, ComponentLink2Description="DigiKey Link", ComponentLink2URL=http://digikey.com/product-detail/en/vishay-dale/CRCW080510K0JNEAIF/541-10KAPCT-ND/3477322, Composition="Thick Film", Features="Automotive AEC-Q200, Pulse Withstanding", Height - Seated (Max)="0.020\" (0.50mm)", LastUpdated="9/2/2020 1:14:55 AM", Lifecycle Status=Active, Minimum Order=1, Number of Terminations=2, Package / Case="0805 (2012 Metric)", Packaging=TapeAndReel, Part Number=CRCW080510K0JNEAIF, Part Status=Active, PartId=40891, Price=0.08, Series=CRCW-IF, Size / Dimension="0.079\" L x 0.049\" W (2.00mm x 1.25mm)", Supplier 1=DigiKey
RS1 RS2: "XH 4pin standing"
rst1: library part DTSM-66R-V-T_R, "Push Button SMD - 4PIN", Manufacturer_Name=Diptronics, Manufacturer_Part_Number=DTSM-66R-V-T/R, Mouser Part Number=113-DTSM66RVTR, Datasheet Link=https://www.mouser.co.uk/datasheet/2/910/464_DTSMJ-6-1571536.pdf, Height=7.1mm, Mouser Price/Stock=https://www.mouser.co.uk/ProductDetail/Diptronics/DTSM-66R-V-T-R?qs=MLItCLRbWsxl2%252BVY862AIw%3D%3D
SP1: library part "PIEZO BUZZER", "PIEZO BUZZER 5VOLTS", Comment_1="SPEAKER AND BEEP", ComponentLink2Description=Reference, Design Date=1395/11/14, Designer="Abbas Basereh", Mounting Technology=THD, PackageDescription=THD, Pin Count=2, Publisher="Abbas Basereh", Status=Unreleased
U1_T1 U1_T2 U1_T3 U1_T4 U1_T5 U12: library part ttp223b, "capacitive touch IC"
U2: "ATMEGA2560-LQFP100", Manufacturer_Name=Microchip, Mouser Part Number=556-ATMEGA2560-16AUR, Arrow Part Number=ATMEGA2560-16AUR, Arrow Price/Stock=https://www.arrow.com/en/products/atmega2560-16aur/microchip-technology?region=nac, Datasheet Link=http://ww1.microchip.com/downloads/en/DeviceDoc/Atmel-2549-8-bit-AVR-Microcontroller-ATmega640-1280-1281-2560-2561_datasheet.pdf, Height=1.2mm, Manufacturer_Part_Number=ATMEGA2560-16AUR, Mouser Price/Stock=https://www.mouser.co.uk/ProductDetail/Microchip-Technology-Atmel/ATMEGA2560-16AUR?qs=6Dg1WZIWLC5tcX5fO8xzXQ%3D%3D
U3: "MAX485 SMD", Manufacturer_Name="Analog Devices", Mouser Part Number=584-ADM4850ARZ, Arrow Part Number=ADM4850ARZ, Arrow Price/Stock=https://www.arrow.com/en/products/adm4850arz/analog-devices, Datasheet Link=http://www.analog.com/static/imported-files/data_sheets/ADM4850_4851_4852_4853_4854_4855_4856_4857.pdf, Height=1.75mm, Manufacturer_Part_Number=ADM4850ARZ, Mouser Price/Stock=https://www.mouser.com/Search/Refine.aspx?Keyword=584-ADM4850ARZ
U4: library part lm2596
U6: "DS3231 RTC"
U7: "1-Wire Digital Thermometer", ComponentAvailability=Obsolete, ComponentLink1Description="Manufacturer Link", ComponentLink1URL=http://www.maxim-ic.com/, ComponentLink2Description=Datasheet, ComponentLink2URL=http://pdfserv.maxim-ic.com/en/ds/DS1820-DS1820S.pdf, ComponentLink3Description="Discontinuation Notice", ComponentLink3URL=http://www.maxim-ic.com/qa/pdfs/non-obsolescence-letter.pdf, DatasheetVersion=5-Mar-1998, LatestRevisionDate=17-Jul-2002, LatestRevisionNote="Re-released for DXP Platform.", PackageDescription="TO, Flat Index; 3 In-Line, Axial Leads; Body Dia. 4.6mm; Leads 0.56 x 0.51 mm (max)", PackageReference=PR35, PackageVersion=1999, Published=13-Oct-2000, Publisher="Altium Limited"
UP1: library part AMS1117-x.x, "3.3 Volt, 800mA SOT-223", Data=16-12-2016, Designer="Ali Hafizi"
V-IN1: library part DCJ235-05-A-XX-X_REVA, "Dc Power Jack on-board", Package=None, Availability=Unavailable, MF="Global Connector Technology", MP=DCJ235-05-A-K1-A, Price=None, SnapEDA_Link=https://www.snapeda.com/parts/DCJ235-05-A-K1-A/Global%20Connector%20Technology/view-part/813042/?ref=snap
V-IN2: library part OQ0271510000G, "Phoenix Terminal Right 2PIN", Package=None, Availability=Warning, Check_prices=https://www.snapeda.com/parts/OQ0271510000G/Amphenol/view-part/4075971/?ref=eda, MF="Amphenol Anytek", MP=OQ0271510000G, Price=None, Purchase-URL=https://pricing.snapeda.com/search/part/OQ0271510000G/?ref=eda, SnapEDA_Link=https://www.snapeda.com/parts/OQ0271510000G/Amphenol/view-part/4075971/?ref=snap
W1_T1 W1_T2 W1_T3 W1_T4 W1_T5 W2_T1 W2_T2 W2_T3 W2_T4 W2_T5 W3 W4: "Jumper Wire", LatestRevisionDate=17-Jul-2002, LatestRevisionNote="Re-released for DXP Platform.", PackageDescription="Radial Cap, Thru-Hole; 2 Leads; 0.2 in Pin Spacing", PackageReference=RAD-0.2, Published=24-Mar-1999, Publisher="Altium Limited"
Y1: library part ECS-180-S-5P-DN-TR, "Crystals 16MHz", Package="HC49/US ECS International", Availability=Unavailable, MF="ECS International", MP=ECS-180-S-5P-DN-TR, Price=None, SnapEDA_Link=https://www.snapeda.com/parts/ECS-180-S-5P-DN-TR/ECS%20International/view-part/2547669/?ref=snap
Y2: library part XTAL, "RTC crystal", Company=E.P.I.L, Design Date=11/04/2011

## Free pads (board coordinates)
  round 5.5 hole 3.5: S(5.207,172.1) S(5.65,48.1) S(10.65,10.1) S(24.079,215.844) S(103.15,4.1) S(103.15,216.1) S(185.65,4.1) S(185.65,216.1) S(268.15,216.1) S(350.65,4.1) S(350.65,216.1) S(365.65,48.1) S(365.65,172.1)

## Via types
v1: diameter 1, hole 0.5, Top Layer to Bottom Layer, tented both sides, 269 vias
v2: diameter 1.27, hole 0.711, Top Layer to Bottom Layer, tented both sides, 6 vias
v3: diameter 1.5, hole 0.7, Top Layer to Bottom Layer, tented both sides, 2 vias

## Nets (pads, with @x,y where several pads share a name; then routed paths per layer and width w, separated by ;. In a path a pad name is that pad's centre, name@x,y a point inside that pad or via, vN(x,y) a via of type N, cw(c..) or ccw(c..) an arc to the next point about the centre after c; other vN are vias at no path point)
3v3: C24.2 C26.2 C27.2 C28.2 NRF1.2 R28.1 rfid1.1 UP1.2 UP1.4 | length 43.4
  Top Layer w0.6: rfid1.1@290.197,12.387 291.152,12.387 v2(300.736,21.971)
  Bottom Layer w0.6: rfid1.1@289.433,12.573 289.619,12.387 C27.2@292.253,12.387 ; v2(300.736,21.971) UP1.2@302.743,21.971 UP1.4@308.943,21.971 308.943,21.471 306.543,19.071 R28.1@306.543,17.145 C24.2@306.543,15.494 306.543,14.386 NRF1.2@310.007,10.922 311.882,10.922 312.452,10.352 C26.2@312.547,10.352 C28.2@314.071,10.352
485en: R17.2 U2.54 | length 28.9
  Bottom Layer w0.3: U2.54@45.919,98.555 45.919,117.039 48.387,119.507 48.387,123.357 47.135,124.609 46.226,124.609 46.001,124.834 R17.2@46.001,124.929